# KiCad board V1.3.kicad_pcb (continued)
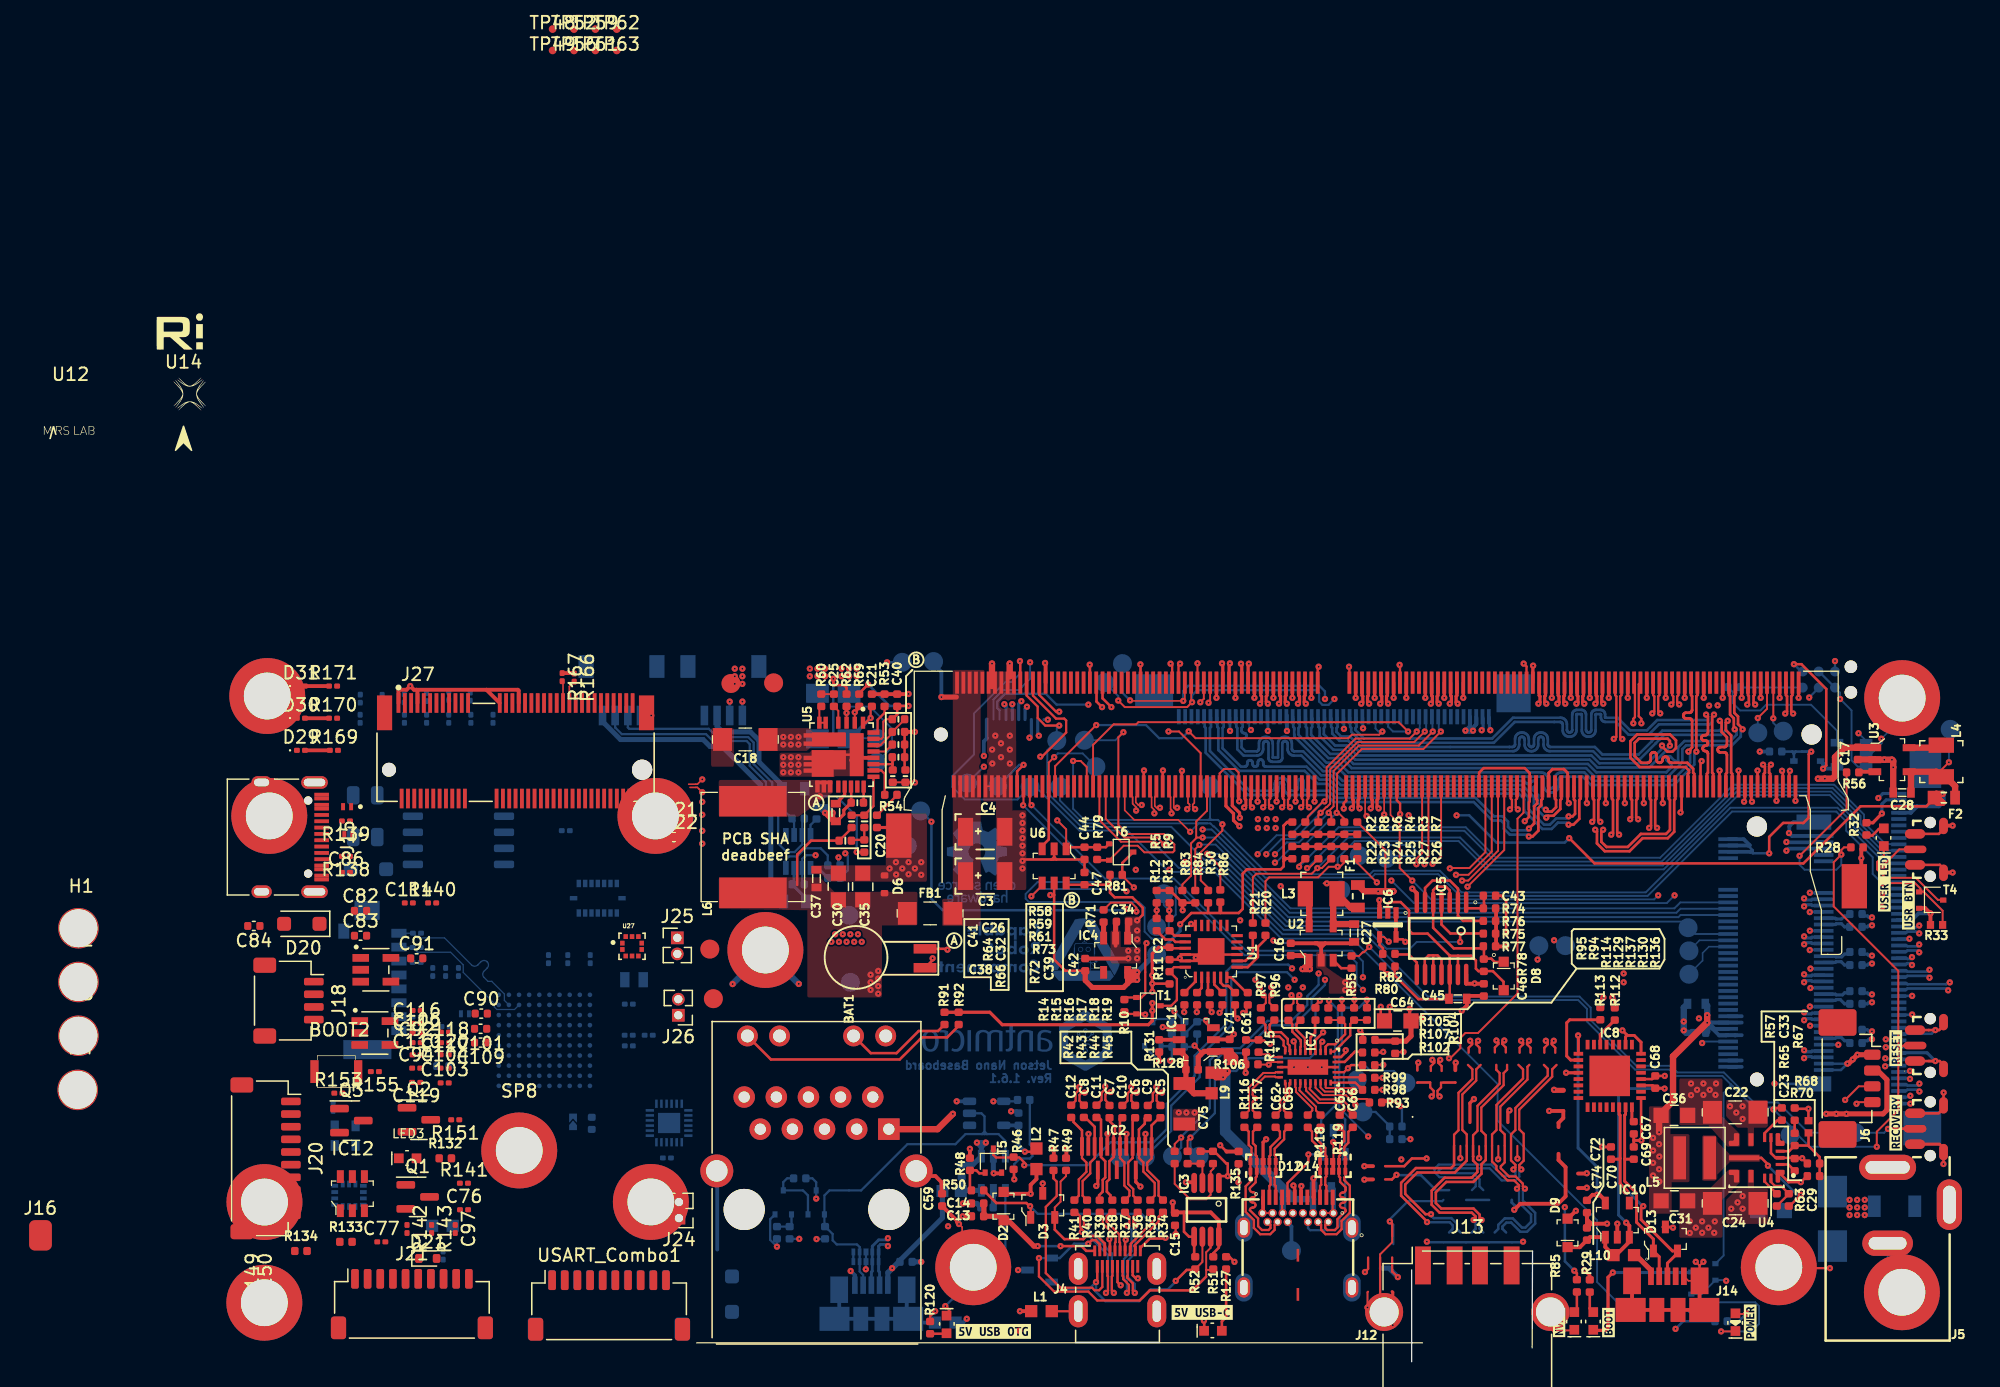
[diagram p0: board, top side]
## Routing (per net, layer and track width the routed paths; a pad name or vN(x,y) marks a point on that pad's centre or on a via; arc(x,y) is an arc through that point) (continued)
  Bottom w0.25: v1(87.5,33) 87.62,33.13 88.07,33.13 88.13,33.06 J7.41
PCIE0_RX0_P: length 66
  Top w0.25: v1(54.01,52.03) 54.13,52.15 54.13,52.61 54.07,52.68 M1.133
  In5_3V3_SYS_SIGNAL.Cu w0.195: v1(87.5,33.63) 87.65,33.47 88.81,33.47 89.05,33.72 89.05,34.34 88.76,34.63 86.78,34.63 86.37,35.03 86.37,35.68 85.39,36.66 85.36,36.68 85.32,36.7 85.28,36.71 85.23,36.71 85.19,36.7 85.15,36.68 85.12,36.66 85.09,36.63 85.05,36.6 85.01,36.58 84.97,36.57 84.93,36.57 84.88,36.58 84.84,36.6 84.81,36.63 84.78,36.66 84.76,36.7 84.75,36.74 84.75,36.79 84.76,36.83 84.78,36.87 84.81,36.9 84.84,36.93 84.87,36.97 84.89,37.01 84.9,37.05 84.9,37.09 84.89,37.13 84.87,37.17 84.84,37.21 81.79,40.26 81.79,43.97 78.54,47.23 72.44,47.23 70.64,49.02 69.3,49.02 69.25,49.01 69.21,49 69.17,48.98 69.14,48.95 69.12,48.91 69.11,48.87 69.1,48.82 69.1,48.39 69.09,48.29 69.05,48.18 68.99,48.09 68.92,48.01 68.82,47.96 68.72,47.92 68.61,47.91 68.55,47.91 68.45,47.92 68.34,47.96 68.25,48.01 68.17,48.09 68.11,48.18 68.08,48.29 68.07,48.39 68.07,50.08 68.06,50.13 68.05,50.17 68.02,50.21 67.99,50.24 67.96,50.26 67.91,50.27 67.87,50.28 67.83,50.27 67.79,50.26 67.75,50.24 67.72,50.21 67.7,50.17 67.68,50.13 67.68,50.08 67.68,48.39 67.66,48.29 67.63,48.18 67.57,48.09 67.49,48.01 67.4,47.96 67.3,47.92 67.19,47.91 67.13,47.91 67.02,47.92 66.92,47.96 66.82,48.01 66.75,48.09 66.69,48.18 66.65,48.29 66.64,48.39 66.64,50.08 66.64,50.13 66.62,50.17 66.6,50.21 66.57,50.24 66.53,50.26 66.49,50.27 66.45,50.28 66.4,50.27 66.36,50.26 66.32,50.24 66.29,50.21 66.27,50.17 66.26,50.13 66.25,50.08 66.25,48.39 66.24,48.29 66.2,48.18 66.14,48.09 66.07,48.01 65.98,47.96 65.87,47.92 65.76,47.91 65.7,47.91 65.6,47.92 65.49,47.96 65.4,48.01 65.32,48.09 65.26,48.18 65.23,48.29 65.22,48.39 65.22,50.08 65.21,50.13 65.2,50.17 65.17,50.21 65.14,50.24 65.11,50.26 65.06,50.27 65.02,50.28 64.98,50.27 64.94,50.26 64.9,50.24 64.87,50.21 64.85,50.17 64.83,50.13 64.83,50.08 64.83,48.39 64.81,48.29 64.78,48.18 64.72,48.09 64.64,48.01 64.55,47.96 64.45,47.92 64.34,47.91 64.28,47.91 64.17,47.92 64.07,47.96 63.98,48.01 63.9,48.09 63.84,48.18 63.8,48.29 63.79,48.39 63.79,48.82 63.79,48.87 63.77,48.91 63.75,48.95 63.72,48.98 63.68,49 63.64,49.01 63.6,49.02 55.74,49.02 54.16,50.6 54.16,51.87 v1(54.01,52.03)
  Bottom w0.25: v1(87.5,33.63) 87.62,33.5 88.07,33.5 88.13,33.56 J7.43
PCIE0_RX1_N: length 66
  Top w0.25: M1.137 53.07,52.68 53.01,52.61 53.01,52.15 v1(53.13,52.03)
  In5_3V3_SYS_SIGNAL.Cu w0.195: v1(53.13,52.03) 52.98,51.87 52.98,51.21 53.63,50.55 53.63,49.18 55.23,47.58 55.95,47.58 56.06,47.57 56.16,47.53 56.25,47.47 56.33,47.39 56.39,47.3 56.43,47.2 56.44,47.09 56.44,46.9 56.44,46.86 56.46,46.81 56.48,46.78 56.51,46.75 56.55,46.72 56.59,46.71 56.63,46.7 56.68,46.71 56.72,46.72 56.75,46.75 56.79,46.78 56.81,46.81 56.82,46.86 56.83,46.9 56.83,47.42 56.83,48.11 56.84,48.22 56.88,48.32 56.93,48.42 57.01,48.49 57.1,48.55 57.21,48.59 57.32,48.6 57.38,48.6 57.48,48.59 57.59,48.55 57.68,48.49 57.76,48.42 57.81,48.32 57.85,48.22 57.86,48.11 57.86,46.9 57.87,46.86 57.88,46.81 57.91,46.78 57.94,46.75 57.97,46.72 58.01,46.71 58.06,46.7 58.1,46.71 58.14,46.72 58.18,46.75 58.21,46.78 58.23,46.81 58.25,46.86 58.25,46.9 58.25,48.11 58.26,48.22 58.3,48.32 58.36,48.42 58.44,48.49 58.53,48.55 58.63,48.59 58.74,48.6 58.8,48.6 58.91,48.59 59.01,48.55 59.1,48.49 59.18,48.42 59.24,48.32 59.28,48.22 59.29,48.11 59.29,46.9 59.29,46.86 59.31,46.81 59.33,46.78 59.36,46.75 59.4,46.72 59.44,46.71 59.48,46.7 59.53,46.71 59.57,46.72 59.6,46.75 59.63,46.78 59.66,46.81 59.67,46.86 59.68,46.9 59.68,48.11 59.69,48.22 59.73,48.32 59.78,48.42 59.86,48.49 59.95,48.55 60.06,48.59 60.16,48.6 60.22,48.6 60.33,48.59 60.44,48.55 60.53,48.49 60.61,48.42 60.66,48.32 60.7,48.22 60.71,48.11 60.71,47.77 60.72,47.73 60.73,47.69 60.75,47.65 60.79,47.62 60.82,47.6 60.86,47.58 60.91,47.58 70.36,47.58 71.13,46.8 78.17,46.8 81.04,43.93 81.04,39.83 85.26,35.61 85.26,32.48 85.84,31.91 88.8,31.91 89.31,31.4 89.31,30.59 88.88,30.15 87.65,30.15 v1(87.5,30)
  Bottom w0.25: v1(87.5,30) 87.62,30.13 88.07,30.13 88.13,30.06 J7.29
PCIE0_RX1_P: length 66
  Top w0.25: v1(52.51,52.03) 52.63,52.15 52.63,52.61 52.57,52.68 52.57,53.69
  In5_3V3_SYS_SIGNAL.Cu w0.195: v1(52.51,52.03) 52.66,51.87 52.66,51.07 53.31,50.41 53.31,49.04 55.1,47.25 55.92,47.25 55.96,47.25 56,47.24 56.04,47.21 56.07,47.18 56.1,47.14 56.11,47.1 56.12,47.06 56.12,46.87 56.13,46.76 56.16,46.66 56.22,46.57 56.3,46.49 56.39,46.43 56.49,46.39 56.6,46.38 56.66,46.38 56.77,46.39 56.87,46.43 56.97,46.49 57.04,46.57 57.1,46.66 57.14,46.76 57.15,46.87 57.15,47.42 57.15,48.08 57.16,48.13 57.17,48.17 57.19,48.2 57.22,48.24 57.26,48.26 57.3,48.27 57.35,48.28 57.39,48.27 57.43,48.26 57.47,48.24 57.5,48.2 57.52,48.17 57.54,48.13 57.54,48.08 57.54,46.87 57.55,46.76 57.59,46.66 57.65,46.57 57.72,46.49 57.82,46.43 57.92,46.39 58.03,46.38 58.09,46.38 58.2,46.39 58.3,46.43 58.39,46.49 58.47,46.57 58.53,46.66 58.56,46.76 58.58,46.87 58.58,48.08 58.58,48.13 58.59,48.17 58.62,48.2 58.65,48.24 58.69,48.26 58.73,48.27 58.77,48.28 58.81,48.27 58.85,48.26 58.89,48.24 58.92,48.2 58.95,48.17 58.96,48.13 58.97,48.08 58.97,46.87 58.98,46.76 59.01,46.66 59.07,46.57 59.15,46.49 59.24,46.43 59.34,46.39 59.45,46.38 59.51,46.38 59.62,46.39 59.72,46.43 59.82,46.49 59.89,46.57 59.95,46.66 59.99,46.76 60,46.87 60,48.08 60,48.13 60.02,48.17 60.04,48.2 60.07,48.24 60.11,48.26 60.15,48.27 60.19,48.28 60.24,48.27 60.28,48.26 60.32,48.24 60.35,48.2 60.37,48.17 60.38,48.13 60.39,48.08 60.39,47.74 60.4,47.63 60.44,47.53 60.5,47.44 60.57,47.36 60.67,47.3 60.77,47.27 60.88,47.25 70.23,47.25 71,46.48 78.04,46.48 80.72,43.8 80.72,39.7 84.94,35.48 84.94,32.35 85.7,31.59 86.29,31.59 86.34,31.58 86.39,31.56 86.43,31.54 86.47,31.5 86.5,31.46 86.51,31.41 86.52,31.36 86.52,31.34 86.52,31.29 86.54,31.24 86.57,31.2 86.6,31.17 86.65,31.14 86.69,31.12 86.74,31.12 86.79,31.12 86.84,31.14 86.88,31.17 86.92,31.2 86.95,31.24 86.96,31.29 86.97,31.34 86.97,31.36 86.97,31.41 86.99,31.46 87.02,31.5 87.05,31.54 87.1,31.56 87.14,31.58 87.19,31.59 88.67,31.59 88.99,31.27 88.99,30.76 88.71,30.47 87.65,30.47 v1(87.5,30.63)
  Bottom w0.25: v1(87.5,30.63) 87.62,30.5 88.07,30.5 88.13,30.56 J7.31
PCIE0_RX2_N: length 66
  Top w0.25: M1.149 48.07,52.68 48.01,52.61 48.01,52.15 v1(48.13,52.03)
  In5_3V3_SYS_SIGNAL.Cu w0.185: 83.84,31.59 86.47,28.97 ; 53.67,45.96 61.2,45.96 61.24,45.96 61.28,45.98 61.32,46 61.35,46.03 61.37,46.06 61.39,46.1 61.39,46.15 61.39,46.36 61.4,46.47 61.44,46.57 61.5,46.66 61.57,46.73 61.66,46.79 61.76,46.83 61.87,46.84 61.93,46.84 62.04,46.83 62.14,46.79 62.23,46.73 62.31,46.66 62.36,46.57 62.4,46.47 62.41,46.36 62.41,46.15 62.42,46.1 62.43,46.06 62.45,46.03 62.48,46 62.52,45.98 62.56,45.96 62.6,45.96 62.64,45.96 62.68,45.98 62.72,46 62.75,46.03 62.77,46.06 62.79,46.1 62.79,46.15 62.79,46.36 62.8,46.47 62.84,46.57 62.9,46.66 62.97,46.73 63.06,46.79 63.16,46.83 63.27,46.84 63.33,46.84 63.44,46.83 63.54,46.79 63.63,46.73 63.71,46.66 63.76,46.57 63.8,46.47 63.81,46.36 63.81,46.15 63.82,46.1 63.83,46.06 63.85,46.03 63.88,46 63.92,45.98 63.96,45.96 64,45.96 64.04,45.96 64.08,45.98 64.12,46 64.15,46.03 64.17,46.06 64.19,46.1 64.19,46.15 64.19,46.36 64.2,46.47 64.24,46.57 64.3,46.66 64.37,46.73 64.46,46.79 64.56,46.83 64.67,46.84 64.73,46.84 64.84,46.83 64.94,46.79 65.03,46.73 65.11,46.66 65.16,46.57 65.2,46.47 65.21,46.36 65.21,46.15 65.22,46.1 65.23,46.06 65.25,46.03 65.28,46 65.32,45.98 65.36,45.96 65.4,45.96 77.8,45.96
  In5_3V3_SYS_SIGNAL.Cu w0.195: v1(87.5,27) 87.65,27.15 88.83,27.15 89.19,27.51 89.19,28.64 88.86,28.97 86.47,28.97 ; 53.67,45.96 47.98,51.65 47.98,51.87 v1(48.13,52.03) ; 77.8,45.96 79.95,43.81 79.95,39.45 83.84,35.55 83.84,31.59
  Bottom w0.25: v1(87.5,27) 87.62,27.13 88.07,27.13 88.13,27.06 J7.17
PCIE0_RX2_P: length 66
  Top w0.25: v1(47.51,52.03) 47.63,52.15 47.63,52.61 47.57,52.68 M1.151
  In5_3V3_SYS_SIGNAL.Cu w0.185: 83.52,31.46 84.45,30.53 84.48,30.5 84.49,30.46 84.5,30.42 84.5,30.38 84.49,30.34 84.48,30.31 84.45,30.27 84.41,30.23 84.38,30.2 84.36,30.16 84.35,30.12 84.35,30.08 84.36,30.04 84.38,30 84.41,29.97 84.44,29.94 84.48,29.92 84.52,29.91 84.56,29.91 84.6,29.92 84.64,29.94 84.67,29.97 84.71,30.01 84.74,30.04 84.78,30.05 84.82,30.06 84.86,30.06 84.9,30.05 84.94,30.04 84.97,30.01 86.34,28.65 ; 77.66,45.64 65.37,45.64 65.26,45.65 65.16,45.68 65.07,45.74 65,45.82 64.94,45.91 64.9,46.01 64.89,46.12 64.89,46.33 64.89,46.37 64.87,46.41 64.85,46.45 64.82,46.48 64.78,46.5 64.74,46.51 64.7,46.52 64.66,46.51 64.62,46.5 64.58,46.48 64.55,46.45 64.53,46.41 64.52,46.37 64.51,46.33 64.51,46.12 64.5,46.01 64.46,45.91 64.41,45.82 64.33,45.74 64.24,45.68 64.14,45.65 64.03,45.64 63.97,45.64 63.86,45.65 63.76,45.68 63.67,45.74 63.6,45.82 63.54,45.91 63.5,46.01 63.49,46.12 63.49,46.33 63.49,46.37 63.47,46.41 63.45,46.45 63.42,46.48 63.38,46.5 63.34,46.51 63.3,46.52 63.26,46.51 63.22,46.5 63.18,46.48 63.15,46.45 63.13,46.41 63.12,46.37 63.11,46.33 63.11,46.12 63.1,46.01 63.06,45.91 63.01,45.82 62.93,45.74 62.84,45.68 62.74,45.65 62.63,45.64 62.57,45.64 62.46,45.65 62.36,45.68 62.27,45.74 62.2,45.82 62.14,45.91 62.1,46.01 62.09,46.12 62.09,46.33 62.09,46.37 62.07,46.41 62.05,46.45 62.02,46.48 61.98,46.5 61.94,46.51 61.9,46.52 61.86,46.51 61.82,46.5 61.78,46.48 61.75,46.45 61.73,46.41 61.72,46.37 61.71,46.33 61.71,46.12 61.7,46.01 61.66,45.91 61.61,45.82 61.53,45.74 61.44,45.68 61.34,45.65 61.23,45.64 53.54,45.64
  In5_3V3_SYS_SIGNAL.Cu w0.195: 77.66,45.64 79.63,43.67 79.63,39.32 83.52,35.42 83.52,31.46 ; 86.34,28.65 88.71,28.65 88.87,28.49 88.87,27.65 88.7,27.47 87.65,27.47 v1(87.5,27.63) ; 53.54,45.64 47.66,51.52 47.66,51.87 v1(47.51,52.03)
  Bottom w0.25: v1(87.5,27.63) 87.62,27.5 88.07,27.5 88.13,27.56 J7.19
PCIE0_RX3_N: length 66.1
  Top w0.25: M1.155 46.57,52.68 46.51,52.61 46.51,52.15 v1(46.63,52.03)
  In5_3V3_SYS_SIGNAL.Cu w0.195: v1(87.5,24) 87.65,24.15 88.2,24.15 88.67,24.62 88.67,25.38 88.28,25.76 86.87,25.76 82.36,30.27 82.36,35.37 78.6,39.13 78.6,44.02 77.63,44.98 76.63,44.98 57.38,44.98 57.27,44.97 57.18,44.93 57.09,44.88 57.02,44.81 56.97,44.72 56.93,44.63 56.92,44.52 56.92,44.34 56.92,44.3 56.9,44.27 56.89,44.24 56.86,44.21 56.83,44.19 56.79,44.18 56.76,44.17 56.69,44.17 56.66,44.18 56.62,44.19 56.59,44.21 56.57,44.24 56.55,44.27 56.53,44.3 56.53,44.34 56.53,44.52 56.52,44.63 56.49,44.72 56.43,44.81 56.36,44.88 56.27,44.93 56.18,44.97 56.08,44.98 53.03,44.98 46.48,51.53 46.48,51.87 v1(46.63,52.03)
  Bottom w0.25: v1(87.5,24) 87.62,24.13 88.07,24.13 88.13,24.06 J7.5
PCIE0_RX3_P: length 66.1
  Top w0.25: v1(46.01,52.03) 46.13,52.15 46.13,52.61 46.07,52.68 M1.157
  In5_3V3_SYS_SIGNAL.Cu w0.195: v1(46.01,52.03) 46.16,51.87 46.16,51.4 52.9,44.66 56.05,44.66 56.08,44.66 56.12,44.64 56.15,44.62 56.18,44.6 56.19,44.57 56.21,44.53 56.21,44.5 56.21,44.31 56.22,44.21 56.26,44.11 56.31,44.03 56.38,43.95 56.47,43.9 56.56,43.87 56.67,43.85 56.79,43.85 56.89,43.87 56.98,43.9 57.07,43.95 57.14,44.03 57.2,44.11 57.23,44.21 57.24,44.31 57.24,44.5 57.24,44.53 57.26,44.57 57.28,44.6 57.3,44.62 57.33,44.64 57.37,44.66 57.4,44.66 77.5,44.66 78.28,43.88 78.28,39 82.04,35.24 82.04,30.14 84.24,27.93 84.27,27.89 84.29,27.85 84.3,27.81 84.3,27.77 84.29,27.73 84.27,27.69 84.24,27.65 84.21,27.62 84.19,27.59 84.17,27.55 84.16,27.51 84.16,27.46 84.17,27.42 84.19,27.38 84.21,27.35 84.25,27.32 84.29,27.3 84.33,27.29 84.37,27.29 84.41,27.3 84.45,27.32 84.49,27.35 84.52,27.38 84.55,27.4 84.59,27.42 84.64,27.43 84.68,27.43 84.72,27.42 84.76,27.4 84.79,27.38 86.73,25.44 88.15,25.44 88.35,25.24 88.35,24.75 88.07,24.47 87.65,24.47 v1(87.5,24.63)
  Bottom w0.25: v1(87.5,24.63) 87.62,24.5 88.07,24.5 88.13,24.56 J7.7
PCIE0_TX0_N: length 65.6
  Top w0.25: M1.134 53.82,44.47 53.76,44.41 53.76,43.88 v1(53.88,43.75)
  In3_SIGNAL.Cu w0.185: v1(92.86,34.5) 92.9,34.5 93.33,34.93 93.33,35.34 92.55,36.12 89.57,36.12 88.51,35.05 84.65,35.05 81.31,38.39 79.95,38.39 79.92,38.39 79.9,38.4 79.88,38.42 79.86,38.43 79.84,38.46 79.83,38.48 79.83,38.51 79.83,38.69 79.82,38.78 79.79,38.86 79.74,38.94 79.68,39.01 79.6,39.05 79.52,39.08 79.43,39.09 79.25,39.09 79.16,39.08 79.07,39.05 78.99,39.01 78.93,38.94 78.88,38.86 78.85,38.78 78.84,38.69 78.84,37.8 78.84,37.78 78.83,37.75 78.82,37.73 78.8,37.71 78.77,37.7 78.75,37.69 78.72,37.68 78.59,37.68 78.56,37.69 78.54,37.7 78.52,37.71 78.5,37.73 78.48,37.75 78.47,37.78 78.47,37.8 78.47,38.69 78.46,38.78 78.43,38.86 78.38,38.94 78.32,39.01 78.24,39.05 78.16,39.08 78.07,39.09 77.89,39.09 77.8,39.08 77.71,39.05 77.63,39.01 77.57,38.94 77.52,38.86 77.49,38.78 77.48,38.69 77.48,37.8 77.48,37.78 77.47,37.75 77.46,37.73 77.44,37.71 77.41,37.7 77.39,37.69 77.36,37.68 77.23,37.68 77.2,37.69 77.18,37.7 77.16,37.71 77.14,37.73 77.12,37.75 77.11,37.78 77.11,37.8 77.11,38.69 77.1,38.78 77.07,38.86 77.02,38.94 76.96,39.01 76.88,39.05 76.8,39.08 76.71,39.09 76.53,39.09 76.44,39.08 76.35,39.05 76.27,39.01 76.21,38.94 76.16,38.86 76.13,38.78 76.12,38.69 76.12,37.8 76.12,37.78 76.11,37.75 76.1,37.73 76.08,37.71 76.05,37.7 76.03,37.69 76,37.68 75.87,37.68 75.84,37.69 75.82,37.7 75.8,37.71 75.78,37.73 75.76,37.75 75.75,37.78 75.75,37.8 75.75,38.69 75.74,38.78 75.71,38.86 75.66,38.94 75.6,39.01 75.52,39.05 75.44,39.08 75.35,39.09 75.17,39.09 75.08,39.08 74.99,39.05 74.91,39.01 74.85,38.94 74.8,38.86 74.77,38.78 74.76,38.69 74.76,37.8 74.76,37.78 74.75,37.75 74.74,37.73 74.72,37.71 74.69,37.7 74.67,37.69 74.64,37.68 74.51,37.68 74.48,37.69 74.46,37.7 74.44,37.71 74.42,37.73 74.4,37.75 74.39,37.78 74.39,37.8 74.39,38.69 74.38,38.78 74.35,38.86 74.3,38.94 74.24,39.01 74.16,39.05 74.08,39.08 73.99,39.09 73.81,39.09 73.72,39.08 73.63,39.05 73.55,39.01 73.49,38.94 73.44,38.86 73.41,38.78 73.4,38.69 73.4,37.8 73.4,37.78 73.39,37.75 73.38,37.73 73.36,37.71 73.33,37.7 73.31,37.69 73.28,37.68 73.15,37.68 73.12,37.69 73.1,37.7 73.08,37.71 73.06,37.73 73.04,37.75 73.03,37.78 73.03,37.8 73.03,38.69 73.02,38.78 72.99,38.86 72.94,38.94 72.88,39.01 72.8,39.05 72.72,39.08 72.63,39.09 72.45,39.09 72.36,39.08 72.27,39.05 72.19,39.01 72.13,38.94 72.08,38.86 72.05,38.78 72.04,38.69 72.04,37.8 72.04,37.78 72.03,37.75 72.02,37.73 72,37.71 71.97,37.7 71.95,37.69 71.92,37.68 71.79,37.68 71.76,37.69 71.74,37.7 71.72,37.71 71.7,37.73 71.68,37.75 71.67,37.78 71.67,37.8 71.67,38.69 71.66,38.78 71.63,38.86 71.58,38.94 71.52,39.01 71.44,39.05 71.36,39.08 71.27,39.09 71.09,39.09 71,39.08 70.91,39.05 70.83,39.01 70.77,38.94 70.72,38.86 70.69,38.78 70.68,38.69 70.68,37.8 70.68,37.78 70.67,37.75 70.65,37.73 70.64,37.71 70.61,37.7 70.59,37.69 70.56,37.68 70.43,37.68 70.4,37.69 70.38,37.7 70.36,37.71 70.34,37.73 70.32,37.75 70.31,37.78 70.31,37.8 70.31,38.69 70.3,38.78 70.27,38.86 70.22,38.94 70.16,39.01 70.08,39.05 70,39.08 69.91,39.09 69.73,39.09 69.64,39.08 69.55,39.05 69.47,39.01 69.41,38.94 69.36,38.86 69.33,38.78 69.32,38.69 69.32,38.51 69.32,38.48 69.31,38.46 69.29,38.43 69.28,38.42 69.25,38.4 69.23,38.39 69.2,38.39 65.26,38.39 60.96,42.69 54.23,42.69 53.72,43.2 53.72,43.59 v1(53.88,43.75)
  Bottom w0.25: 92.08,34.38 92.5,34.38 92.62,34.5 v1(92.86,34.5)
PCIE0_TX0_P: length 65.6
  Top w0.25: v1(53.26,43.75) 53.38,43.88 53.38,44.41 53.32,44.47 M1.136
  In3_SIGNAL.Cu w0.185: v1(92.86,35.13) 92.86,35.37 92.42,35.81 91.95,35.81 91.91,35.8 91.87,35.79 91.84,35.77 91.81,35.74 91.79,35.7 91.77,35.66 91.77,35.62 91.77,35.38 91.76,35.34 91.75,35.3 91.73,35.26 91.7,35.23 91.66,35.21 91.62,35.2 91.58,35.19 91.54,35.2 91.5,35.21 91.47,35.23 91.44,35.26 91.42,35.3 91.4,35.34 91.4,35.38 91.4,35.62 91.39,35.66 91.38,35.7 91.36,35.74 91.33,35.77 91.29,35.79 91.25,35.8 91.21,35.81 89.71,35.81 88.64,34.74 84.47,34.74 81.13,38.08 79.93,38.08 79.84,38.09 79.75,38.12 79.67,38.17 79.61,38.23 79.56,38.31 79.53,38.39 79.52,38.48 79.52,38.66 79.52,38.69 79.51,38.72 79.5,38.74 79.48,38.76 79.45,38.77 79.43,38.78 79.4,38.78 79.27,38.78 79.24,38.78 79.22,38.77 79.2,38.76 79.18,38.74 79.16,38.72 79.15,38.69 79.15,38.66 79.15,37.78 79.14,37.69 79.11,37.6 79.06,37.53 79,37.46 78.92,37.41 78.84,37.38 78.75,37.37 78.57,37.37 78.48,37.38 78.39,37.41 78.31,37.46 78.25,37.53 78.2,37.6 78.17,37.69 78.16,37.78 78.16,38.66 78.16,38.69 78.15,38.72 78.14,38.74 78.12,38.76 78.09,38.77 78.07,38.78 78.04,38.78 77.91,38.78 77.88,38.78 77.86,38.77 77.84,38.76 77.82,38.74 77.8,38.72 77.79,38.69 77.79,38.66 77.79,37.78 77.78,37.69 77.75,37.6 77.7,37.53 77.64,37.46 77.56,37.41 77.48,37.38 77.39,37.37 77.21,37.37 77.12,37.38 77.03,37.41 76.95,37.46 76.89,37.53 76.84,37.6 76.81,37.69 76.8,37.78 76.8,38.66 76.8,38.69 76.79,38.72 76.78,38.74 76.76,38.76 76.73,38.77 76.71,38.78 76.68,38.78 76.55,38.78 76.52,38.78 76.5,38.77 76.48,38.76 76.46,38.74 76.44,38.72 76.43,38.69 76.43,38.66 76.43,37.78 76.42,37.69 76.39,37.6 76.34,37.53 76.28,37.46 76.2,37.41 76.12,37.38 76.03,37.37 75.85,37.37 75.76,37.38 75.67,37.41 75.59,37.46 75.53,37.53 75.48,37.6 75.45,37.69 75.44,37.78 75.44,38.66 75.44,38.69 75.43,38.72 75.42,38.74 75.4,38.76 75.37,38.77 75.35,38.78 75.32,38.78 75.19,38.78 75.16,38.78 75.14,38.77 75.12,38.76 75.1,38.74 75.08,38.72 75.07,38.69 75.07,38.66 75.07,37.78 75.06,37.69 75.03,37.6 74.98,37.53 74.92,37.46 74.84,37.41 74.76,37.38 74.67,37.37 74.49,37.37 74.4,37.38 74.31,37.41 74.23,37.46 74.17,37.53 74.12,37.6 74.09,37.69 74.08,37.78 74.08,38.66 74.08,38.69 74.07,38.72 74.06,38.74 74.04,38.76 74.01,38.77 73.99,38.78 73.96,38.78 73.83,38.78 73.8,38.78 73.78,38.77 73.76,38.76 73.74,38.74 73.72,38.72 73.71,38.69 73.71,38.66 73.71,37.78 73.7,37.69 73.67,37.6 73.62,37.53 73.56,37.46 73.48,37.41 73.4,37.38 73.31,37.37 73.13,37.37 73.04,37.38 72.95,37.41 72.87,37.46 72.81,37.53 72.76,37.6 72.73,37.69 72.72,37.78 72.72,38.66 72.72,38.69 72.71,38.72 72.7,38.74 72.68,38.76 72.65,38.77 72.63,38.78 72.6,38.78 72.47,38.78 72.44,38.78 72.42,38.77 72.4,38.76 72.38,38.74 72.36,38.72 72.35,38.69 72.35,38.66 72.35,37.78 72.34,37.69 72.31,37.6 72.26,37.53 72.2,37.46 72.12,37.41 72.04,37.38 71.95,37.37 71.77,37.37 71.68,37.38 71.59,37.41 71.51,37.46 71.45,37.53 71.4,37.6 71.37,37.69 71.36,37.78 71.36,38.66 71.36,38.69 71.35,38.72 71.33,38.74 71.32,38.76 71.29,38.77 71.27,38.78 71.24,38.78 71.11,38.78 71.08,38.78 71.06,38.77 71.04,38.76 71.02,38.74 71,38.72 70.99,38.69 70.99,38.66 70.99,37.78 70.98,37.69 70.95,37.6 70.9,37.53 70.84,37.46 70.76,37.41 70.68,37.38 70.59,37.37 70.41,37.37 70.32,37.38 70.23,37.41 70.15,37.46 70.09,37.53 70.04,37.6 70.01,37.69 70,37.78 70,38.66 70,38.69 69.99,38.72 69.97,38.74 69.96,38.76 69.93,38.77 69.91,38.78 69.88,38.78 69.75,38.78 69.72,38.78 69.7,38.77 69.68,38.76 69.66,38.74 69.64,38.72 69.63,38.69 69.63,38.66 69.63,38.48 69.62,38.39 69.59,38.31 69.54,38.23 69.48,38.17 69.4,38.12 69.32,38.09 69.23,38.08 65.13,38.08 60.84,42.38 54.1,42.38 53.41,43.07 53.41,43.59 v1(53.26,43.75)
  Bottom w0.25: v1(92.86,35.13) 92.62,35.13 92.5,35.25 92.08,35.25
PCIE0_TX1_N: length 66.2
  Top w0.25: M1.140 52.32,44.47 52.26,44.41 52.26,43.88 v1(52.38,43.75)
  In3_SIGNAL.Cu w0.185: v1(52.38,43.75) 52.22,43.59 52.22,43.17 53.54,41.85 60.51,41.85 66.66,35.7 71.14,35.7 71.23,35.69 71.32,35.66 71.4,35.61 71.46,35.55 71.51,35.47 71.54,35.38 71.55,35.29 71.55,35.11 71.56,35.08 71.56,35.05 71.58,35.03 71.6,35.01 71.63,34.99 71.65,34.98 71.68,34.98 71.79,34.98 71.82,34.98 71.85,34.99 71.87,35.01 71.89,35.03 71.91,35.05 71.92,35.08 71.92,35.11 71.92,36.01 71.93,36.1 71.96,36.19 72.01,36.27 72.08,36.33 72.16,36.38 72.24,36.41 72.34,36.43 72.5,36.43 72.59,36.41 72.68,36.38 72.76,36.33 72.82,36.27 72.87,36.19 72.9,36.1 72.91,36.01 72.91,35.11 72.92,35.08 72.92,35.05 72.94,35.03 72.96,35.01 72.99,34.99 73.01,34.98 73.04,34.98 73.15,34.98 73.18,34.98 73.21,34.99 73.23,35.01 73.25,35.03 73.27,35.05 73.28,35.08 73.28,35.11 73.28,36.01 73.29,36.1 73.32,36.19 73.37,36.27 73.44,36.33 73.52,36.38 73.6,36.41 73.7,36.43 73.86,36.43 73.95,36.41 74.04,36.38 74.12,36.33 74.18,36.27 74.23,36.19 74.26,36.1 74.27,36.01 74.27,35.11 74.28,35.08 74.28,35.05 74.3,35.03 74.32,35.01 74.35,34.99 74.37,34.98 74.4,34.98 74.51,34.98 74.54,34.98 74.57,34.99 74.59,35.01 74.61,35.03 74.63,35.05 74.64,35.08 74.64,35.11 74.64,36.01 74.65,36.1 74.68,36.19 74.73,36.27 74.8,36.33 74.88,36.38 74.96,36.41 75.06,36.43 75.22,36.43 75.31,36.41 75.4,36.38 75.48,36.33 75.54,36.27 75.59,36.19 75.62,36.1 75.63,36.01 75.63,35.11 75.64,35.08 75.64,35.05 75.66,35.03 75.68,35.01 75.71,34.99 75.73,34.98 75.76,34.98 75.87,34.98 75.9,34.98 75.93,34.99 75.95,35.01 75.97,35.03 75.99,35.05 76,35.08 76,35.11 76,36.01 76.01,36.1 76.04,36.19 76.09,36.27 76.16,36.33 76.24,36.38 76.32,36.41 76.42,36.43 76.58,36.43 76.67,36.41 76.76,36.38 76.84,36.33 76.9,36.27 76.95,36.19 76.98,36.1 76.99,36.01 76.99,35.11 77,35.08 77,35.05 77.02,35.03 77.04,35.01 77.07,34.99 77.09,34.98 77.12,34.98 77.23,34.98 77.26,34.98 77.29,34.99 77.31,35.01 77.33,35.03 77.35,35.05 77.36,35.08 77.36,35.11 77.36,36.01 77.37,36.1 77.4,36.19 77.45,36.27 77.52,36.33 77.6,36.38 77.68,36.41 77.78,36.43 77.94,36.43 78.03,36.41 78.12,36.38 78.2,36.33 78.26,36.27 78.31,36.19 78.34,36.1 78.35,36.01 78.35,35.11 78.36,35.08 78.36,35.05 78.38,35.03 78.4,35.01 78.43,34.99 78.45,34.98 78.48,34.98 78.59,34.98 78.62,34.98 78.65,34.99 78.67,35.01 78.69,35.03 78.71,35.05 78.72,35.08 78.72,35.11 78.74,36.01 78.75,36.1 78.78,36.19 78.83,36.27 78.89,36.33 78.97,36.38 79.06,36.41 79.15,36.43 79.31,36.43 79.41,36.41 79.49,36.38 79.57,36.33 79.64,36.27 79.69,36.19 79.72,36.1 79.73,36.01 79.73,35.83 79.73,35.8 79.74,35.77 79.76,35.75 79.78,35.73 79.8,35.71 79.83,35.7 79.86,35.7 81.71,35.7 85.45,31.96 88.56,31.96 89.72,33.12 93.21,33.12 93.75,32.58 93.75,31.99 93.4,31.64 93.02,31.64 v1(92.86,31.48)
  Bottom w0.25: 92.08,31.36 92.5,31.36 92.62,31.48 v1(92.86,31.48)
PCIE0_TX1_P: length 66.2
  Top w0.25: v1(51.76,43.75) 51.88,43.88 51.88,44.41 51.82,44.47 M1.142
  In3_SIGNAL.Cu w0.185: v1(51.76,43.75) 51.91,43.59 51.91,43.04 53.42,41.54 60.39,41.54 66.54,35.39 71.11,35.39 71.14,35.39 71.17,35.38 71.19,35.36 71.21,35.34 71.23,35.32 71.24,35.29 71.24,35.26 71.24,35.08 71.25,34.99 71.28,34.9 71.33,34.82 71.4,34.76 71.48,34.71 71.56,34.68 71.66,34.67 71.82,34.67 71.91,34.68 72,34.71 72.08,34.76 72.14,34.82 72.19,34.9 72.22,34.99 72.23,35.08 72.23,35.99 72.24,36.01 72.24,36.04 72.26,36.07 72.28,36.09 72.31,36.1 72.33,36.11 72.36,36.12 72.47,36.12 72.5,36.11 72.53,36.1 72.55,36.09 72.57,36.07 72.59,36.04 72.6,36.01 72.6,35.99 72.6,35.08 72.61,34.99 72.64,34.9 72.69,34.82 72.76,34.76 72.84,34.71 72.92,34.68 73.02,34.67 73.18,34.67 73.27,34.68 73.36,34.71 73.44,34.76 73.5,34.82 73.55,34.9 73.58,34.99 73.59,35.08 73.59,35.99 73.6,36.01 73.6,36.04 73.62,36.07 73.64,36.09 73.67,36.1 73.69,36.11 73.72,36.12 73.83,36.12 73.86,36.11 73.89,36.1 73.91,36.09 73.93,36.07 73.95,36.04 73.96,36.01 73.96,35.99 73.96,35.08 73.97,34.99 74,34.9 74.05,34.82 74.12,34.76 74.2,34.71 74.28,34.68 74.38,34.67 74.54,34.67 74.63,34.68 74.72,34.71 74.8,34.76 74.86,34.82 74.91,34.9 74.94,34.99 74.95,35.08 74.95,35.99 74.96,36.01 74.96,36.04 74.98,36.07 75,36.09 75.03,36.1 75.05,36.11 75.08,36.12 75.19,36.12 75.22,36.11 75.25,36.1 75.27,36.09 75.29,36.07 75.31,36.04 75.32,36.01 75.32,35.99 75.32,35.08 75.33,34.99 75.36,34.9 75.41,34.82 75.48,34.76 75.56,34.71 75.64,34.68 75.74,34.67 75.9,34.67 75.99,34.68 76.08,34.71 76.16,34.76 76.22,34.82 76.27,34.9 76.3,34.99 76.31,35.08 76.31,35.99 76.32,36.01 76.32,36.04 76.34,36.07 76.36,36.09 76.39,36.1 76.41,36.11 76.44,36.12 76.55,36.12 76.58,36.11 76.61,36.1 76.63,36.09 76.65,36.07 76.67,36.04 76.68,36.01 76.68,35.99 76.68,35.08 76.69,34.99 76.72,34.9 76.77,34.82 76.84,34.76 76.92,34.71 77,34.68 77.1,34.67 77.26,34.67 77.35,34.68 77.44,34.71 77.52,34.76 77.58,34.82 77.63,34.9 77.66,34.99 77.67,35.08 77.67,35.99 77.68,36.01 77.68,36.04 77.7,36.07 77.72,36.09 77.75,36.1 77.77,36.11 77.8,36.12 77.91,36.12 77.94,36.11 77.97,36.1 77.99,36.09 78.01,36.07 78.03,36.04 78.04,36.01 78.04,35.99 78.04,35.08 78.05,34.99 78.08,34.9 78.13,34.82 78.2,34.76 78.28,34.71 78.36,34.68 78.46,34.67 78.62,34.67 78.71,34.68 78.8,34.71 78.88,34.76 78.94,34.82 78.99,34.9 79.02,34.99 79.03,35.08 79.05,35.99 79.05,36.01 79.06,36.04 79.08,36.07 79.1,36.09 79.12,36.1 79.15,36.11 79.18,36.12 79.29,36.12 79.32,36.11 79.34,36.1 79.37,36.09 79.39,36.07 79.4,36.04 79.41,36.01 79.42,35.99 79.42,35.81 79.43,35.71 79.46,35.63 79.51,35.55 79.57,35.48 79.65,35.43 79.74,35.4 79.83,35.39 81.58,35.39 85.32,31.65 88.71,31.65 89.87,32.81 91.45,32.81 91.49,32.8 91.53,32.79 91.57,32.76 91.6,32.74 91.62,32.7 91.63,32.66 91.64,32.62 91.64,32.57 91.64,32.53 91.65,32.49 91.68,32.46 91.71,32.43 91.74,32.41 91.78,32.39 91.82,32.39 91.86,32.39 91.9,32.41 91.94,32.43 91.97,32.46 91.99,32.49 92,32.53 92.01,32.57 92.01,32.62 92.01,32.66 92.02,32.7 92.05,32.74 92.08,32.76 92.11,32.79 92.15,32.8 92.19,32.81 93.09,32.81 93.44,32.45 93.44,32.11 93.27,31.95 93.02,31.95 v1(92.86,32.11)
  Bottom w0.25: v1(92.86,32.11) 92.62,32.11 92.5,32.23 92.08,32.23
